# Allegro board gps_interface_boardv54dc.brd (continued)
## Routing (per net, layer and track width the routed paths; a pad name or vN(x,y) marks a point on that pad's centre or on a via; arc(x,y) is an arc through that point) (continued)
VCC2V5: length 84.6
  TOP w0.17: R141.1 v1(263.47,80.7) ; v1(282.02,27.96) C115.1 282.19,27.08 arc(282.3,26.92) 282.33,26.73 IC1.8 ; v1(289.03,28.14) C119.1 289.2,27.16 arc(289.31,27) 289.34,26.81 IC2.8 ; 94.98,89.37 94.97,89.38 ; R183.1 v1(211.96,80.7) ; R140.1 v1(263.47,87.07) ; R161.1 v1(241.17,87.07) ; R119.1 v1(285.55,86.97) ; R203.1 v1(189.66,87.07) ; R120.1 v1(285.55,80.59) ; R182.1 v1(211.96,87.07) ; R162.1 v1(241.17,80.7) ; R204.1 v1(189.66,80.7) ; R225.1 v1(167.54,80.7) ; R224.1 v1(167.54,87.07)
  TOP w0.203: 57.48,60.33 57.47,60.32 U13.10
  TOP w0.254: v1(166.27,90.93) C253.1 C254.1 166.29,88.34 166.29,85.51 arc(166.11,85.06) 165.66,84.87 U42.12 ; v1(262.2,90.88) C184.1 C185.1 262.2,85.38 arc(262.05,85.02) 261.7,84.87 U26.12 ; R130.1 v1(278.64,86.94) ; U22.12 283.77,84.77 arc(284.13,84.92) 284.28,85.28 C208.1 C207.1 v1(284.28,90.78) ; U38.12 187.88,84.87 arc(188.24,85.02) 188.39,85.38 C231.1 C230.1 v1(188.39,90.88) ; R172.1 v1(234.09,87.05) ; R235.1 v1(160.58,87.05) ; R214.1 v1(182.68,87.05) ; R193.1 v1(205,87.05) ; v1(210.69,92.81) C138.1 C139.1 210.69,85.38 arc(210.54,85.02) 210.19,84.87 U34.12 ; R151.1 v1(256.54,87.05) ; U30.12 239.4,84.87 arc(239.75,85.02) 239.9,85.38 C162.1 C161.1 v1(239.9,91.34)
  TOP w0.305: v1(64.38,128.37) 63.98,128.76 arc(63.72,129.15) 63.63,129.6 U47.8
  TOP w0.33: v1(103.56,25.83) 103.71,25.99 arc(103.8,26.11) 103.83,26.26 C110.2 103.84,26.83 U18.2 ; U17.14 115.23,27.44 C111.1 v1(115.22,26.64)
  BOTTOM w0.17: R116.2 234.47,20.06 arc(234.2,19.88) 233.87,19.81 v1(233.48,19.81)
  BOTTOM w0.203: v1(247.62,29.46) 247.34,29.18 arc(247.16,28.9) 247.09,28.57 247.09,28.05 arc(247.2,27.77) 247.48,27.66 U5.5 ; R82.2 v1(106.84,31.07)
  BOTTOM w0.305: C6.1 63.82,129.28 arc(63.89,128.94) 64.08,128.66 v1(64.38,128.37)
  vias: v1(53.9,62.84) v1(53.9,61.44) v1(54.99,62.81) v1(54.99,61.44) v1(56.11,62.84) v1(56.13,61.44) v1(57.33,62.84) v1(57.33,61.44) v1(60.76,62.84) v1(60.76,61.44) v1(61.8,61.44) v1(61.93,62.84) v1(62.94,61.44) v1(63.07,62.84) v1(64.11,61.42) v1(64.24,62.84) v1(92.41,91.82) v1(92.41,90.75) v1(92.41,89.69) v1(93.47,91.82) v1(93.47,90.75) v1(93.47,89.69)
VCC3V3: length 439.4
  TOP w0.165: U46.8 C272.2 v1(22.01,91.28) ; 133.96,71.05 133.98,71.05 134.47,70.56 U104.12 ; 133.96,71.05 131.65,71.05 C2730.1 C2725.2 v1(130.05,72.19) ; 133.96,71.05 134.27,71.35 arc(134.5,71.5) 134.77,71.56 U104.10 ; R143.1 v1(267.82,81.16) ; U52.24 C271.2 v1(198.6,10.16) ; R121.1 v1(289.9,86.35) ; U104.31 140.38,71.56 arc(140.64,71.66) 140.74,71.92 140.74,72.41 ; U49.8 79.32,14.63 C108.1 v1(80.31,14.66) ; v1(143.54,90.27) C2740.2 C2744.1 140.79,90.27 arc(140.65,90.3) 140.53,90.38 140.36,90.55 arc(140.12,90.71) 139.84,90.77 U107.13 ; R227.1 v1(171.89,81.16) ; 140.46,72.76 141.08,72.76 ; 140.46,72.76 U104.1 ; 140.46,72.76 139.9,73.32 arc(139.63,73.5) 139.32,73.56 139.17,73.56 arc(138.9,73.45) 138.79,73.17 U104.2 ; 141.08,72.76 C2727.1 C2731.1 C2722.2 C2726.2 v1(146.97,73) ; 141.08,72.76 140.74,72.41 ; U104.18 136.29,67.24 arc(136.24,66.99) 136.1,66.78 C2729.1 C2724.2 v1(135.89,64.74) ; U106.5 v1(148.01,95.63) ; v1(132.59,90.25) C2742.2 135.1,90.25 C2746.1 135.35,90.27 arc(135.52,90.31) 135.67,90.41 135.84,90.58 arc(136.05,90.72) 136.3,90.77 U107.8 ; R185.1 v1(216.31,81.16) ; R142.1 v1(267.77,86.43) ; v1(140.18,64.46) C2723.2 C2728.1 139.42,67.34 arc(139.32,67.48) 139.29,67.64 U104.24 ; R184.1 v1(216.31,86.45) ; U107.5 136.32,92.27 arc(136.1,92.31) 135.91,92.44 135.77,92.57 arc(135.59,92.69) 135.39,92.73 C2745.1 C2741.2 v1(132.59,92.73) ; U53.24 C270.2 v1(214.96,10.36) ; v1(103.53,37.54) 103.71,37.54 arc(103.83,37.49) 103.88,37.38 C112.1 ; U105.5 v1(125.23,123.84) ; D40.2 v1(115.42,124.94) ; R163.1 v1(245.52,86.45) ; v1(122.69,78.73) 122.45,78.97 arc(122.2,79.14) 121.91,79.2 R24.1 ; 140.74,72.41 140.38,72.06 U104.32 ; D24.2 v1(239.66,77.13) ; U19.24 98.45,115.78 C113.1 97.92,115.83 arc(97.72,115.87) 97.56,115.98 v1(97.38,116.15) ; R206.1 v1(192.81,80.24) ; v1(193.12,87.33) 192.95,87.16 arc(192.85,87.01) 192.81,86.82 R205.1 ; R164.1 v1(245.52,81.16) ; R226.1 v1(171.89,86.45) ; R122.1 v1(289.9,81.06) ; U107.16 139.76,92.27 arc(139.98,92.31) 140.16,92.43 140.29,92.57 arc(140.48,92.69) 140.7,92.73 C2743.1 C2739.2 v1(143.54,92.73)
  TOP w0.203: D36.2 v1(165.18,78.79) ; v1(103.53,37.54) 103.84,37.24 103.84,35.43 U18.15 ; v1(61.26,87.07) 62.61,85.73 U10.10 ; D16.2 v1(279.04,77.44) ; v1(65.15,14.12) 65.42,14.12 arc(65.63,14.16) 65.81,14.28 65.85,14.33 arc(66.05,14.46) 66.28,14.5 R77.2 ; D20.2 v1(256.97,77.55) ; D28.2 v1(209.6,78.79) ; D32.2 v1(187.3,78.79) ; D42.2 126.47,100.53 arc(126.49,100.67) 126.57,100.79 v1(127.71,101.93) ; Q11.3 v1(82.98,8.71) ; Q12.3 v1(88.01,8.73) ; R247.2 v1(195.12,12.94) ; R76.2 v1(65.35,11.18) ; R75.2 v1(65.84,7.59)
  TOP w0.305: v1(293.83,105.26) 293.83,104.86 arc(293.79,104.69) 293.7,104.54 293.65,104.5 arc(293.56,104.35) 293.52,104.18 L8.1 293.52,100.2 arc(293.57,99.94) 293.72,99.73 v1(293.95,99.49) ; R266.2 v1(69.28,133.43) ; v1(272.21,104.95) 271.81,104.55 arc(271.54,104.15) 271.45,103.68 L10.1 271.45,100.68 arc(271.53,100.26) 271.77,99.91 v1(272.14,99.54) ; Q14.3 266.28,13.56 arc(266.5,13.52) 266.69,13.39 v1(266.9,13.18) ; v1(146.91,105.16) 146.57,104.82 arc(146.36,104.49) 146.28,104.1 L21.1 146.28,100.42 arc(146.35,100.08) 146.54,99.79 v1(146.84,99.49) ; v1(198.4,105.18) 198,104.78 arc(197.73,104.38) 197.64,103.91 L16.1 197.64,100.48 arc(197.71,100.11) 197.92,99.79 v1(198.25,99.47) ; v1(253.62,104.93) 254.01,104.54 arc(254.27,104.15) 254.36,103.7 L9.1 254.36,99.86 arc(254.32,99.71) 254.24,99.58 v1(254.08,99.42) ; L17.1 v1(157.02,101.93) ; L20.1 v1(127.71,101.93) ; IC1.1 281.27,22.76 arc(280.85,22.58) 280.67,22.15 v1(280.67,21.49) ; v1(176.07,99.49) 175.77,99.79 arc(175.58,100.08) 175.51,100.42 L18.1 v1(176.71,102.08) ; v1(202.84,98.78) L13.1 v1(201.6,101.93) ; v1(249.73,99.44) 249.42,99.75 arc(249.22,100.05) 249.15,100.41 L12.1 249.15,104.11 arc(249.22,104.47) 249.42,104.77 v1(249.73,105.08) ; v1(276.33,105.51) 276.33,104.68 276.43,104.58 L7.1 276.43,100.06 276.25,99.89 v1(276.25,99.34) ; v1(179.17,101.93) L15.1 180.54,99.66 arc(180.6,99.39) 180.75,99.16 v1(181,98.91) ; Q10.3 v1(232.05,5.51) ; v1(220.42,99.47) 220.16,99.73 arc(220,99.97) 219.94,100.26 L14.1 v1(221.39,102.08) ; IC2.1 289.34,23.18 arc(289.46,23.46) 289.73,23.57 291.52,23.57 arc(291.82,23.63) 292.08,23.8 v1(292.35,24.08) ; v1(232.05,98.7) L11.1 232.05,103.61 arc(231.98,103.98) 231.77,104.3 v1(231.44,104.62) ; D1.2 v1(105.47,69.67)
  TOP w0.33: U17.1 115.22,34.71 C109.2 v1(115.22,37.24)
  TOP w0.508: L22.2 v1(182.65,16.43)
  BOTTOM w0.165: v1(264.57,124.26) 264.81,124.01 arc(264.91,123.94) 265.04,123.92 R145.1 ; R102.2 R103.2 ; R100.2 R98.2
  BOTTOM w0.203: R83.1 v1(88.72,122.91) ; v1(130.3,77.37) 129.76,77.91 arc(129.43,78.13) 129.04,78.21 C22.1 128.2,77.57 arc(128.22,77.43) 128.3,77.32 128.33,77.29 arc(128.4,77.17) 128.43,77.04 L5.1 v1(130.1,76.12) ; R246.2 v1(207.47,5.84) ; U40.5 180.07,78.46 arc(180.15,78.07) 180.37,77.74 v1(180.7,77.42) ; R96.2 v1(110.26,108.41) ; 283.29,123.92 284.2,123.92 R127.1 284.42,124.14 arc(284.55,124.23) 284.7,124.26 v1(284.91,124.26) ; 283.29,123.92 R129.1 ; 283.29,123.92 282.35,123.92 ; R85.1 v1(87.25,122.91) ; R97.2 v1(126.47,107.92) ; R101.2 v1(126.47,111.56) ; R81.2 v1(112.24,31.48) ; v1(276.58,77.32) 276.26,77.64 arc(276.04,77.97) 275.96,78.36 U24.5 ; v1(232.21,77.42) 231.88,77.74 arc(231.66,78.07) 231.58,78.46 U32.5 ; v1(134.02,123.92) R2677.1 R2681.1 R2679.1 v1(137.88,123.92) ; v1(167.11,123.92) R232.1 R234.1 R230.1 v1(163.25,123.92) ; C225.1 197.16,100.21 arc(197.11,99.99) 196.99,99.81 v1(196.8,99.62) ; 282.35,123.92 R125.1 ; 282.35,123.92 v1(281.29,123.92) ; v1(242.27,124.16) 242.41,124.16 arc(242.51,124.14) 242.59,124.08 242.75,123.92 R166.1 ; Q7.3 v1(94.91,97.71) ; v1(181.76,99.21) 181.39,99.59 arc(181.19,99.88) 181.13,100.22 C224.1 ; C155.1 254.94,99.94 arc(254.98,99.74) 255.09,99.57 v1(255.27,99.39) ; v1(240.56,124.23) 240.49,124.3 arc(240.35,124.36) 240.21,124.3 R169.1 R171.1 R167.1 v1(236.91,123.92) ; C133.1 277.01,99.94 arc(277.06,99.69) 277.2,99.48 v1(277.42,99.26) ; R124.1 287.04,123.92 arc(286.86,123.95) 286.71,124.05 v1(286.54,124.23) ; v1(106.83,107.77) 106.97,107.91 arc(107.05,108.03) 107.07,108.17 R103.2 ; R86.1 v1(75.03,122.91) ; C178.1 v1(232.64,99.29) ; R245.2 v1(219.38,5.49) ; v1(292.74,99.52) 292.9,99.68 arc(293.01,99.84) 293.04,100.02 C132.1 ; R92.1 v1(124.08,118.9) ; R99.2 v1(126.47,109.75) ; R2676.1 v1(138.95,123.92) ; C248.1 v1(175.03,99.11) ; R91.1 v1(116,118.9) ; R90.1 v1(78.08,122.91) ; C156.1 v1(270.97,99.11) ; C202.1 v1(203.43,99.29) ; R98.2 v1(110.31,110.16) ; U28.5 253.89,78.46 arc(253.96,78.07) 254.18,77.74 v1(254.51,77.42) ; U36.5 202.37,78.46 arc(202.45,78.07) 202.67,77.74 v1(203,77.42) ; C201.1 v1(219.46,99.11) ; C247.1 v1(159,99.29) ; C2712.1 v1(129.77,99.29) ; C179.1 248.67,99.84 arc(248.63,99.66) 248.53,99.51 v1(248.36,99.34) ; U44.5 v1(157.95,77.98) ; v1(189.24,123.92) R211.1 R213.1 R209.1 v1(185.38,123.92) ; R187.1 v1(212.61,123.92) ; v1(211.54,123.92) R190.1 R192.1 R188.1 v1(207.68,123.92) ; R229.1 v1(168.18,123.92) ; R208.1 v1(190.3,123.92) ; R252.2 v1(205.82,5.84) ; v1(259.21,123.92) R146.1 R150.1 R148.1 262.35,124.14 arc(262.48,124.23) 262.63,124.26 v1(262.84,124.26) ; R89.1 v1(84.33,122.91) ; R38.2 v1(94.77,101.32) ; R88.1 v1(76.53,122.91) ; R84.1 v1(73.51,122.91) ; R251.2 v1(221.16,5.51) ; C2713.1 v1(145.8,99.11) ; R87.1 v1(85.8,122.91)
  BOTTOM w0.305: R61.2 57.58,66.07 arc(57.82,66.11) 58.02,66.25 58.06,66.29 arc(58.26,66.42) 58.5,66.47 v1(58.88,66.47) ; C7.1 v1(88.8,127.61) ; v1(92.81,67.11) L3.1 94.55,67.96 arc(94.59,68.12) 94.68,68.26 94.72,68.3 arc(94.81,68.44) 94.84,68.6 C13.1 v1(93.17,69.27) ; v1(280.67,21.49) 271.45,21.49 arc(270.37,21.93) 269.93,23.01 269.93,24.6 arc(270.12,25.07) 270.59,25.27 R107.2 ; R111.2 301.4,26.54 arc(301.02,27.44) 300.13,27.81 296.72,27.81 arc(296.14,27.7) 295.64,27.37 v1(292.35,24.08) ; 27.74,72.72 27.74,75.18 ; 27.74,72.72 27.74,71.62 arc(27.85,71.04) 28.18,70.55 30.59,68.14 arc(30.92,67.64) 31.04,67.06 31.04,35.64 arc(30.42,34.15) 28.93,33.53 13.59,33.53 arc(11.56,32.69) 10.72,30.66 10.72,28.93 arc(10.08,27.39) 8.53,26.75 6.41,26.75 arc(5.39,27.17) 4.97,28.19 Q3.3 4.97,31.76 arc(5.07,32.27) 5.37,32.71 R40.2 ; 27.74,72.72 27.29,72.27 arc(26.91,72.02) 26.47,71.93 R50.2 ; 27.74,75.18 v1(27.74,89.81) ; 27.74,75.18 Q4.3 ; Q6.3 v1(59.36,69.22) ; Q1.3 v1(100.75,62.38) ; Q5.3 v1(59.56,102.72) ; R56.2 v1(58.17,99.52) ; C117.1 P1.9
  BOTTOM w0.343: L1.1 v1(86.21,127.1)
  vias: v1(57.84,87.07) v1(58.93,88.44) v1(58.93,87.07) v1(58.98,89.79) v1(60.05,88.47) v1(60.07,89.79) v1(60.07,87.07) v1(61.21,89.79) v1(61.26,88.52)
VCC3V3_LFILT: length 10.5
  TOP w0.165: v1(81.28,135.25) 81.05,135.02 arc(80.89,134.79) 80.84,134.51 U1.2
  BOTTOM w0.343: L1.2 86.21,133.32 C9.1 85.9,133.63 arc(85.62,133.82) 85.28,133.88 C8.1 83.24,134.86 arc(83.21,134.99) 83.13,135.1 83.08,135.15 arc(82.97,135.23) 82.84,135.25 v1(81.28,135.25)
VCC5V: length 100.1
  TOP w0.203: U8.10 26.03,65.55 26.04,65.56 ; U10.12 62.38,80.55 arc(61.63,80.24) 61.32,79.49 61.32,72.21 arc(61.02,71.49) 60.3,71.2 28.06,71.2 arc(27.67,71.12) 27.34,70.9 v1(25.83,69.39)
  TOP w0.305: R265.1 v1(69.33,134.8)
  TOP w0.33: P2.6 284.2,44.42 arc(284.07,43.79) 283.72,43.26 279.35,38.89 arc(278.99,38.35) 278.87,37.72 278.87,19.18 arc(278.74,18.54) 278.38,18.01 277.19,16.82 arc(276.83,16.28) 276.71,15.65 276.71,14.6 arc(276.83,13.97) 277.19,13.44 277.75,12.88 arc(278.11,12.34) 278.23,11.71 P1.11
  BOTTOM w0.343: v1(18.95,138.54) L2.1 22.67,138.54 C10.2
  vias: v1(22.45,68.07) v1(22.45,66.67) v1(23.55,68.05) v1(23.55,66.67) v1(23.6,69.39) v1(24.69,69.39) v1(24.66,68.07) v1(24.69,66.67) v1(25.88,68.12) v1(25.88,66.67)
VCC5V_LFILT: length 39.5
  TOP w0.343: U3.8 v1(43.9,134.84) ; U2.8 v1(18.5,134.84)
  BOTTOM w0.343: C12.2 20.27,136.53 L2.2 ; C12.2 20.22,133.88 19.01,133.88 arc(18.84,133.92) 18.69,134.02 18.64,134.07 arc(18.54,134.22) 18.5,134.39 v1(18.5,134.84) ; C12.2 20.27,132.06 arc(20.48,131.55) 20.98,131.34 45.11,131.34 arc(45.62,131.55) 45.83,132.06 C11.2 44.44,133.73 arc(44.09,133.88) 43.94,134.23 43.94,134.8 v1(43.9,134.84)
VCCR_SFP INTERFACE_ACLK SFP: length 23.3
  TOP w0.305: J30.15 137.21,113.18 arc(137.15,113.48) 136.98,113.74 v1(136.7,114.02) ; L20.2 132.23,102.85 arc(132.35,103.43) 132.68,103.93 v1(133.32,104.57)
  SIG w0.17: v1(133.32,104.57) 133.2,104.7 arc(133.08,104.77) 132.95,104.8 v1(132.13,104.8) 132.13,107.95 arc(132.44,108.69) 133.17,108.99 134.44,108.99 arc(135.5,109.43) 135.94,110.49 135.94,112.91 arc(136.01,113.23) 136.19,113.51 v1(136.7,114.02)
  BOTTOM w0.203: C2717.2 131.68,104.06 arc(131.74,104.33) 131.89,104.56 v1(132.13,104.8)
  BOTTOM w0.33: v1(136.7,114.02) 136.7,116.54 arc(136.68,116.68) 136.6,116.79 C2714.2
VCCR_SFP INTERFACE_SFP1: length 12.5
  TOP w0.305: J13.15 284.48,113.23 arc(284.42,113.53) 284.25,113.79 v1(283.97,114.07) ; v1(280.42,104.57) 279.92,104.08 arc(279.59,103.58) 279.48,103 L7.2 279.48,100.3 arc(279.54,99.98) 279.72,99.7 v1(280.01,99.42)
  BOTTOM w0.203: C134.2 v1(278.93,104.99)
  BOTTOM w0.33: v1(283.97,114.07) 283.97,116.77 C135.2
VCCR_SFP INTERFACE_SFP2: length 12.7
  TOP w0.305: v1(257.84,99.36) 257.6,99.6 arc(257.45,99.82) 257.4,100.07 L9.2 257.4,103.5 arc(257.5,103.97) 257.76,104.37 v1(258.17,104.78) ; J14.15 262.41,113.18 arc(262.35,113.48) 262.18,113.74 v1(261.9,114.02)
  BOTTOM w0.203: C157.2 v1(256.85,105.11)
  BOTTOM w0.33: C158.2 261.9,116.77 v1(261.9,114.02)
VCCR_SFP INTERFACE_SFP3: length 12.4
  TOP w0.305: J18.15 240.11,113.18 arc(240.05,113.48) 239.88,113.74 v1(239.6,114.02) ; v1(235.51,99.42) 235.28,99.64 arc(235.15,99.84) 235.1,100.08 L11.2 235.1,103.3 arc(235.2,103.77) 235.46,104.17 v1(235.86,104.57)
  BOTTOM w0.203: C180.2 v1(234.55,105.11)
  BOTTOM w0.33: v1(239.6,114.02) 239.6,116.77 C181.2
VCCR_SFP INTERFACE_SFP4: length 12.5
  TOP w0.305: v1(210.36,114.02) 210.64,113.74 arc(210.81,113.48) 210.87,113.18 J19.15 ; v1(206.68,104.62) 206.26,104.21 arc(205.99,103.8) 205.89,103.31 L13.2 205.89,100.08 arc(205.94,99.84) 206.07,99.64 v1(206.3,99.42)
  BOTTOM w0.203: C203.2 v1(205.34,105.11)
  BOTTOM w0.33: v1(210.36,114.02) 210.36,116.79 C204.2
VCCR_SFP INTERFACE_SFP5: length 12.5
  TOP w0.305: v1(188.06,114.02) 188.34,113.74 arc(188.51,113.48) 188.57,113.18 J20.15 ; v1(184,99.42) 183.77,99.64 arc(183.64,99.84) 183.59,100.08 L15.2 183.59,103.27 arc(183.69,103.77) 183.98,104.19 v1(184.4,104.62)
  BOTTOM w0.203: C226.2 v1(183.04,105.11)
  BOTTOM w0.33: C227.2 188.06,116.71 v1(188.06,114.02)
VCCR_SFP INTERFACE_SFP6: length 12.5
  TOP w0.305: v1(165.94,114.02) 166.22,113.74 arc(166.39,113.48) 166.45,113.18 J21.15 ; v1(162.56,104.57) 161.91,103.93 arc(161.58,103.43) 161.47,102.85 L17.2 161.47,100.14 arc(161.52,99.87) 161.68,99.64 v1(161.93,99.39)
  BOTTOM w0.203: C249.2 160.92,104.06 arc(160.97,104.33) 161.13,104.56 v1(161.37,104.8)
  BOTTOM w0.33: C250.2 165.84,116.79 arc(165.91,116.68) 165.94,116.54 v1(165.94,114.02)
VCCT_SFP INTERFACE_ACLK SFP: length 22
  TOP w0.305: L21.2 143.23,103.7 arc(143.15,104.11) 142.92,104.45 v1(142.57,104.8) ; v1(138.43,114) 138.2,113.77 arc(138.06,113.56) 138.01,113.32 J30.16
  SIG w0.17: v1(138.43,114) 138.43,109.29 arc(138.49,108.97) 138.68,108.69 v1(142.57,104.8) 142.8,105.03 arc(143.03,105.19) 143.31,105.24 v1(143.81,105.24)
  BOTTOM w0.203: C2719.2 v1(143.81,105.24)
  BOTTOM w0.33: v1(138.43,114) 138.48,114.04 C2718.2
VCCT_SFP INTERFACE_SFP1: length 12.5
  TOP w0.305: v1(289.94,104.95) 290.23,104.66 arc(290.41,104.39) 290.47,104.07 L8.2 290.47,100.03 arc(290.44,99.84) 290.33,99.68 v1(290.14,99.49) ; v1(285.7,114.05) 285.47,113.82 arc(285.33,113.61) 285.28,113.37 J13.16
  BOTTOM w0.203: C137.2 v1(291.05,105.14)
  BOTTOM w0.33: C136.2 285.7,116.91 v1(285.7,114.05)
VCCT_SFP INTERFACE_SFP2: length 11.7
  TOP w0.305: v1(263.63,114) 263.4,113.77 arc(263.26,113.56) 263.21,113.32 J14.16 ; v1(267.56,104.78) 268,104.33 arc(268.3,103.89) 268.4,103.37 L10.2 268.4,101.05 arc(268.34,100.76) 268.18,100.52 v1(267.92,100.25)
  BOTTOM w0.203: C160.2 v1(268.98,105.24)
  BOTTOM w0.33: C159.2 263.63,116.91 v1(263.63,114)
VCCT_SFP INTERFACE_SFP3: length 12.4
  TOP w0.305: J18.16 240.91,113.32 arc(240.96,113.56) 241.1,113.77 v1(241.33,114) ; v1(245.19,104.72) 245.66,104.25 arc(245.99,103.76) 246.1,103.19 L12.2 246.1,100.26 arc(246.05,100.02) 245.92,99.82 v1(245.69,99.59)
  BOTTOM w0.203: C183.2 v1(246.68,105.24)
  BOTTOM w0.33: v1(241.33,114) 241.33,116.91 C182.2
VCCT_SFP INTERFACE_SFP4: length 12.8
  TOP w0.305: v1(212.09,114) 211.86,113.77 arc(211.72,113.56) 211.67,113.32 J19.16 ; v1(215.77,105.05) 216.44,104.38 arc(216.77,103.89) 216.89,103.31 L14.2 216.89,100.25 arc(216.94,100) 217.09,99.78 v1(217.32,99.54)
  BOTTOM w0.203: C206.2 v1(217.47,105.24)
  BOTTOM w0.33: v1(212.09,114) 212.09,116.94 C205.2
VCCT_SFP INTERFACE_SFP5: length 10.5
  TOP w0.305: J20.16 189.37,113.32 arc(189.42,113.56) 189.56,113.77 v1(189.79,114) ; v1(194.23,99.75) 194.43,99.94 arc(194.55,100.12) 194.59,100.32 L16.2 v1(193.29,102.08)
  BOTTOM w0.203: C229.2 v1(195.16,105.24)
  BOTTOM w0.33: C228.2 189.79,116.91 v1(189.79,114)
VCCT_SFP INTERFACE_SFP6: length 9.7
  TOP w0.305: J21.16 167.25,113.32 arc(167.3,113.56) 167.44,113.77 v1(167.67,114) ; v1(171.81,104.8) 172.16,104.45 arc(172.39,104.11) 172.47,103.7 L18.2
  BOTTOM w0.203: C252.2 v1(173.04,105.24)
  BOTTOM w0.33: C251.2 167.67,116.92 v1(167.67,114)
VDD_FILT: length 25.3
  TOP w0.165: v1(117.75,76.56) 118.37,75.94 arc(118.47,75.79) 118.5,75.61 118.5,75.39 U48.32 ; U48.46 122.88,82.63 C18.2 v1(123,82.16)
  TOP w0.203: U48.60 113.01,83.89 arc(112.95,83.62) 112.8,83.38 v1(112.56,83.15)
  BOTTOM w0.165: C20.2 113,83.89 arc(112.95,83.61) 112.79,83.38 v1(112.56,83.15) ; v1(123,82.16) 123,80.12 arc(123.05,79.82) 123.22,79.57 123.24,79.55 arc(123.41,79.3) 123.47,79.01 123.47,76.31 arc(123.41,76) 123.23,75.73 121.59,74.1 arc(121.33,73.92) 121.01,73.85 C19.2 118.52,75.45 arc(118.45,75.77) 118.27,76.04 v1(117.75,76.56)
  vias: v1(104.27,90.35) v1(104.27,89.66) v1(105.03,90.35) v1(105.03,89.66)
VDDA_FILT: length 25.4
  TOP w0.165: v1(102.43,77.64) C15.2 C14.2 104.65,77.63 U48.13
  BOTTOM w0.305: v1(102.43,77.64) 99.72,77.64 arc(98.64,77.19) 98.2,76.11 98.2,67.9 arc(97.96,67.34) 97.41,67.11 L3.2 96.55,66.08 96.55,66.07 C16.1
VDDO_FILT: length 82.2
  TOP w0.165: 118.01,79.15 118.01,79.16
  TOP w0.203: U48.49 118.51,83.87 arc(118.47,83.67) 118.36,83.51 v1(118.19,83.34) ; 118.86,77.63 118.77,77.54 118.75,77.54 arc(118.64,77.5) 118.6,77.39 118.6,77.37 118.52,77.29 118.52,76.53 arc(118.54,76.39) 118.62,76.27 118.65,76.24 arc(118.77,76.16) 118.91,76.13 U48.33 119.26,75.93 arc(119.29,75.79) 119.37,75.66 119.91,75.12 v1(119.91,75.01) ; 118.86,77.63 118.48,77.63 arc(118.15,77.77) 118.01,78.11 118.01,79.15 ; 118.86,77.63 U48.36 ; v1(113.92,76.5) 113.7,76.28 arc(113.56,76.07) 113.51,75.82 U48.22 ; U48.57 114.51,84.11 arc(114.55,83.9) 114.67,83.72 v1(115.06,83.32) ; 118.01,79.16 v1(118.01,79.63) ; v1(118.01,79.63) 118.01,80.53 arc(118.19,80.96) 118.61,81.13 U48.43 ; v1(118.01,79.63) U48.40 ; v1(116.66,76.5) 116.85,76.32 arc(116.97,76.14) 117.01,75.94 U48.29 ; v1(115.49,76.49) 115.49,76.02 115.51,76 U48.26
  TOP w0.254: v1(118.19,83.34) 118.17,83.32 117.51,83.32 arc(117.16,83.47) 117.01,83.83 U48.52
  BOTTOM w0.165: v1(119.91,75.01) 120.74,75.83 arc(120.79,75.91) 120.81,76.01 C24.2 ; 126.43,75.16 126.44,75.16 ; 114,76.49 113.98,76.5 v1(113.92,76.5) 113.7,76.29 arc(113.56,76.08) 113.51,75.83 C27.2 ; v1(118.01,79.63) 118.49,79.63 118.51,79.65 C26.2 ; v1(118.19,83.34) 118.19,84.83 arc(118.22,84.98) 118.3,85.1 118.32,85.13 arc(118.41,85.25) 118.44,85.41 C23.2 ; v1(115.06,83.32) 114.77,83.62 arc(114.59,83.88) 114.53,84.2 C28.2 ; C25.2 117.02,75.91 arc(116.97,76.13) 116.85,76.32 v1(116.66,76.5)
  BOTTOM w0.203: v1(116.66,76.5) 116.17,76.5 116.15,76.49 v1(115.49,76.49) 114,76.49 ; v1(115.06,83.32) 117.7,83.32 117.71,83.34 v1(118.19,83.34)
  BOTTOM w0.305: v1(115.49,76.49) 115.49,76.15 arc(115.53,75.96) 115.64,75.8 115.68,75.76 arc(115.79,75.6) 115.82,75.41 115.82,73.3 arc(116.27,72.23) 117.35,71.78 119.92,71.78 arc(120.5,71.9) 120.99,72.23 122.39,73.62 arc(122.88,73.95) 123.47,74.07 C29.1 126.44,75.16 ; L5.2 126.43,75.16
  BOTTOM w0.343: L5.2 125.23,76.12 arc(124.42,76.46) 124.09,77.26 124.09,83.41 ; C23.2 119.03,85.96 arc(119.5,86.06) 119.91,86.33 119.97,86.39 arc(120.39,86.67) 120.88,86.77 122.46,86.77 arc(123.06,86.65) 123.58,86.3 124.09,85.79 124.09,83.41 ; 124.09,83.41 123.58,83.92 arc(123.47,84) 123.34,84.02 122.61,84.02 arc(121.34,83.5) 120.81,82.23 C26.2
A0_1: length 3
  TOP w0.203: R248.1 214.34,13.84 214.4,13.89 U53.21
A0_2: length 3.7
  TOP w0.203: U52.21 197.15,13.77 197.09,13.84 R247.1
A0_2V5: length 1.5
  TOP w0.203: U13.2 54.64,56.85 54.58,56.9 R59.2
A0_3V3: length 2
  TOP w0.203: U10.3 64.51,78.18 64.51,78.18 R55.2
A0_5V: length 1.5
  TOP w0.203: R48.2 23.13,62.14 23.19,62.08 U8.2
A0_BID: length 4.8
  TOP w0.203: R73.2 R77.1 70.69,14.5 70.82,14.63 U49.1
A1_1: length 3.5
  TOP w0.203: R249.1 224.16,12.54 224.11,12.59 U53.2
A1_2: length 3.5
  TOP w0.203: U52.2 206.39,12.47 arc(206.78,12.39) 207.11,12.17 207.21,12.06 arc(207.58,11.91) 207.95,12.06 208.35,12.46 arc(208.43,12.52) 208.54,12.54 R250.1
A1_2V5: length 2.1
  TOP w0.203: U13.3 54.65,56.35 54.64,56.34 54.33,56.34 arc(54.13,56.26) 54.05,56.06 R60.2
A1_5V: length 1.7
  TOP w0.203: U8.3 23.63,61.58 arc(23.26,61.5) 22.94,61.29 22.63,60.98 R49.2
A1_BID: length 4.9
  TOP w0.203: U49.2 70.55,13.36 arc(70.16,13.28) 69.83,13.06 69.64,12.88 arc(69.34,12.67) 68.98,12.6 R72.2 R76.1
A2_BID: length 7.1
  TOP w0.203: U49.3 70.92,12.09 arc(70.31,11.84) 70.05,11.23 70.05,9.75 arc(69.83,9.21) 69.29,8.99 R71.2 R75.1
ACLK_TO_CDR_N: length 29.4
  TOP w0.203: U104.4 137.79,73.76 137.82,73.79
  TOP w0.33: TP765.1 144.93,79.13 arc(144.84,79.37) 144.6,79.46 142.79,79.46 arc(142.36,79.38) 142,79.14 139.68,76.81 arc(138.72,76.42) 137.77,76.81 137.27,77.3 137.27,77.54 arc(137.24,77.7) 137.15,77.84 v1(136.83,78.16) 137.08,78.4 arc(137.22,78.62) 137.27,78.87 137.27,79.61 arc(137.16,79.88) 136.9,79.98 135.33,79.98 arc(135.1,79.89) 135,79.65 135,76.38 arc(135.14,76.04) 135.48,75.9 136.96,75.9 arc(137.57,75.64) 137.82,75.03 137.82,73.79
  BOTTOM w0.33: C2747.2 136.8,81.55 arc(136.86,81.27) 137.02,81.04 137.06,80.99 arc(137.22,80.76) 137.27,80.48 137.27,78.87 arc(137.22,78.62) 137.08,78.4 v1(136.83,78.16)
ACLK_TO_CDR_P: length 30.2
  TOP w0.203: 137.29,73.77 137.29,73.76 U104.5
  TOP w0.33: TP764.1 144.93,80.33 arc(144.84,80.09) 144.6,80 142.79,80 arc(142.16,79.87) 141.62,79.51 139.3,77.19 arc(138.72,76.95) 138.14,77.19 137.81,77.53 137.81,77.72 v1(138.25,78.16) 138,78.4 arc(137.86,78.62) 137.81,78.87 137.81,79.61 arc(137.54,80.25) 136.9,80.52 135.33,80.52 arc(134.72,80.27) 134.47,79.65 134.47,76.38 arc(134.77,75.66) 135.48,75.36 136.96,75.36 arc(137.19,75.27) 137.29,75.03 137.29,73.77
  BOTTOM w0.33: v1(138.25,78.16) 138,78.4 arc(137.86,78.62) 137.81,78.87 137.81,80.48 arc(137.86,80.76) 138.02,80.99 138.07,81.04 arc(138.22,81.27) 138.28,81.55 C2748.2
BNC_DIR: length 11.4
  TOP w0.203: J15.2 296.75,20.55 296.77,20.57 J16.2 295.62,25.53 arc(295.29,25.75) 294.9,25.83 IC2.5
CDR_ADDR: length 4.7
  TOP w0.17: U104.19 136.79,64.08 arc(136.7,63.85) 136.47,63.75 136.11,63.75 R2688.1
CLK_FDBACK_N: length 3.4
  TOP w0.165: U48.62 111.99,84.4 111.99,85.51 arc(111.97,85.62) 111.9,85.72 111.88,85.74 arc(111.82,85.83) 111.79,85.95 R31.2 111.87,86.41 arc(111.98,86.68) 111.87,86.95 111.86,86.96 arc(111.8,87.04) 111.79,87.14 C37.2
CLK_FDBACK_P: length 3.4
  TOP w0.165: C36.2 112.85,87.38 arc(112.82,87.24) 112.74,87.12 112.57,86.94 arc(112.47,86.7) 112.57,86.45 R31.1 112.69,85.95 arc(112.67,85.83) 112.61,85.74 112.58,85.72 arc(112.52,85.62) 112.5,85.51 112.5,84.39 U48.61
CLK_FROM_FPGA_N: length 8.7
  TOP w0.203: U48.15 109.25,76.63 109.23,76.62
  TOP w0.33: 109.23,76.62 108.65,76.62 arc(108.39,76.56) 108.17,76.42 107.86,76.11 arc(107.78,75.98) 107.75,75.84 107.75,75.39 ; 107.75,75.39 107.75,74.47 arc(107.36,73.54) 106.43,73.15 104.79,73.15 arc(104.65,73.13) 104.53,73.05 C2736.2 ; 107.75,75.39 R2692.2
CLK_FROM_FPGA_P: length 8.7
  TOP w0.203: 109.23,77.15 109.25,77.13 U48.14
  TOP w0.33: 109.23,77.15 108.65,77.15 arc(108.18,77.06) 107.79,76.79 107.48,76.49 arc(107.28,76.19) 107.21,75.84 107.21,75.42 ; 107.21,75.42 107.21,74.47 arc(106.99,73.91) 106.43,73.69 104.96,73.69 arc(104.76,73.73) 104.59,73.84 C2735.2 ; 107.21,75.42 R2692.1
CLK_TO_SFP.CLK_TO_SFP_N0: length 211.4
  TOP w0.178: U22.7 282.11,81.81 282.12,81.8 282.12,81.02 282.13,81.01 282.13,80.98
  TOP w0.203: U48.23 114.01,74.38 113.99,74.36
  TOP w0.33: 282.13,80.98 282.13,80.52 arc(282.18,80.26) 282.33,80.04 v1(282.57,79.8) ; v1(112.36,54.2) 112.6,54.45 arc(112.75,54.66) 112.8,54.92 112.8,70.05 arc(112.93,70.68) 113.29,71.21 113.66,71.59 arc(113.91,71.96) 113.99,72.38 113.99,74.36
  SIG w0.203: v1(195.99,61.39) 195.75,61.62 arc(195.53,61.77) 195.26,61.82 160.92,61.82 arc(160.69,61.78) 160.49,61.65 151.8,52.95 arc(151.47,52.73) 151.08,52.65 113.47,52.65 arc(113.04,52.83) 112.86,53.26 112.86,53.36 arc(112.8,53.67) 112.63,53.94 v1(112.36,54.2)